# Altium PCB HeaterController(航插位置M1).PcbDoc
Units mm, origin at the board's own origin, x right, y up, seen from the top; angles counter-clockwise.
Board outline 79 x 34 mm, 2 copper layers (Top Layer, Bottom Layer); 8 components, 9 nets, 22 pads, 0 vias.
Unrouted connection lines stored in the file: 12.
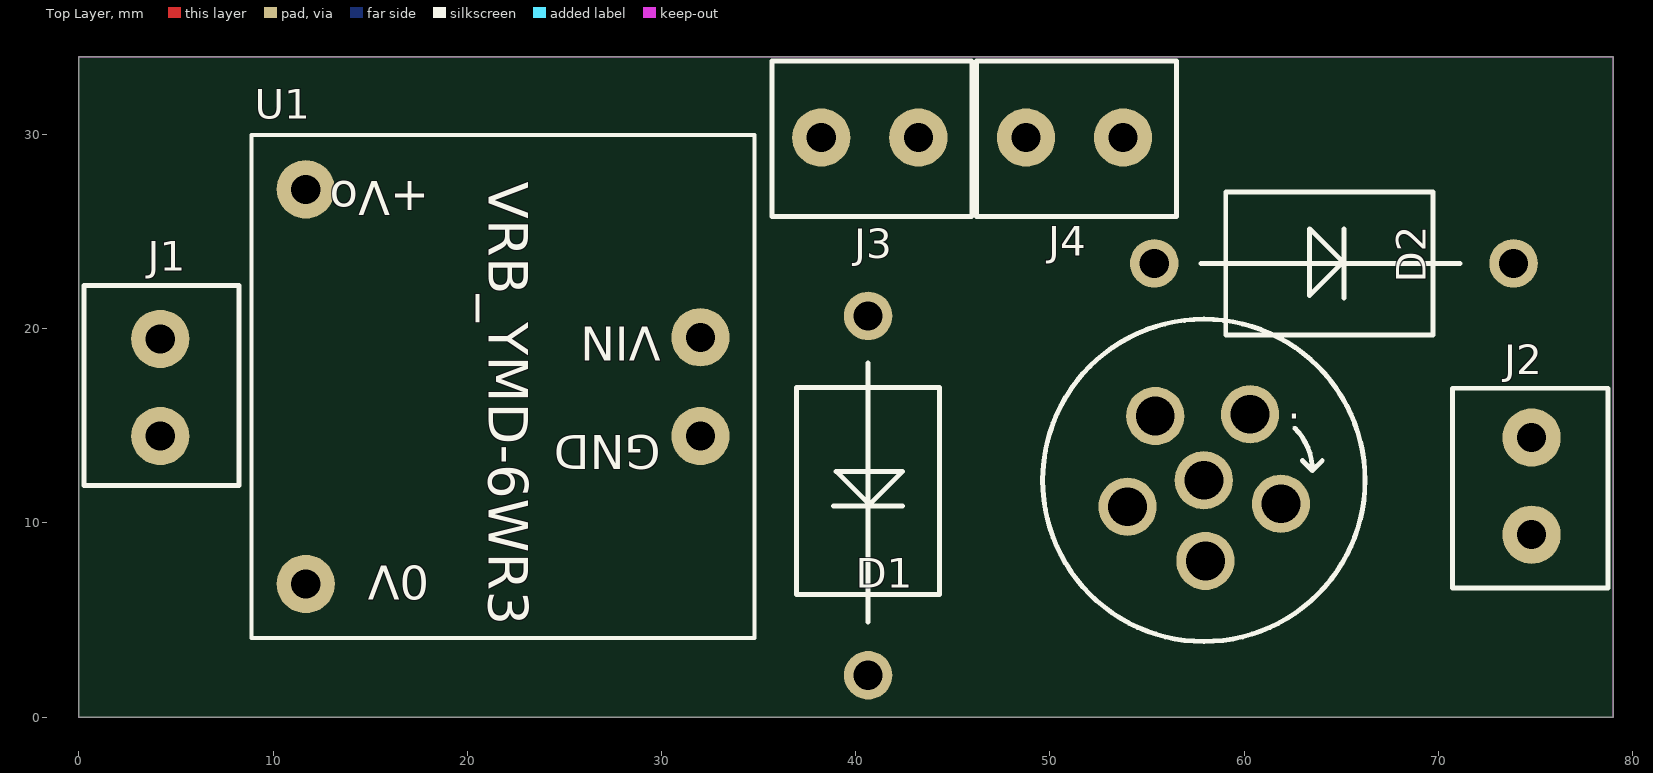
[diagram p0: Top Layer view]
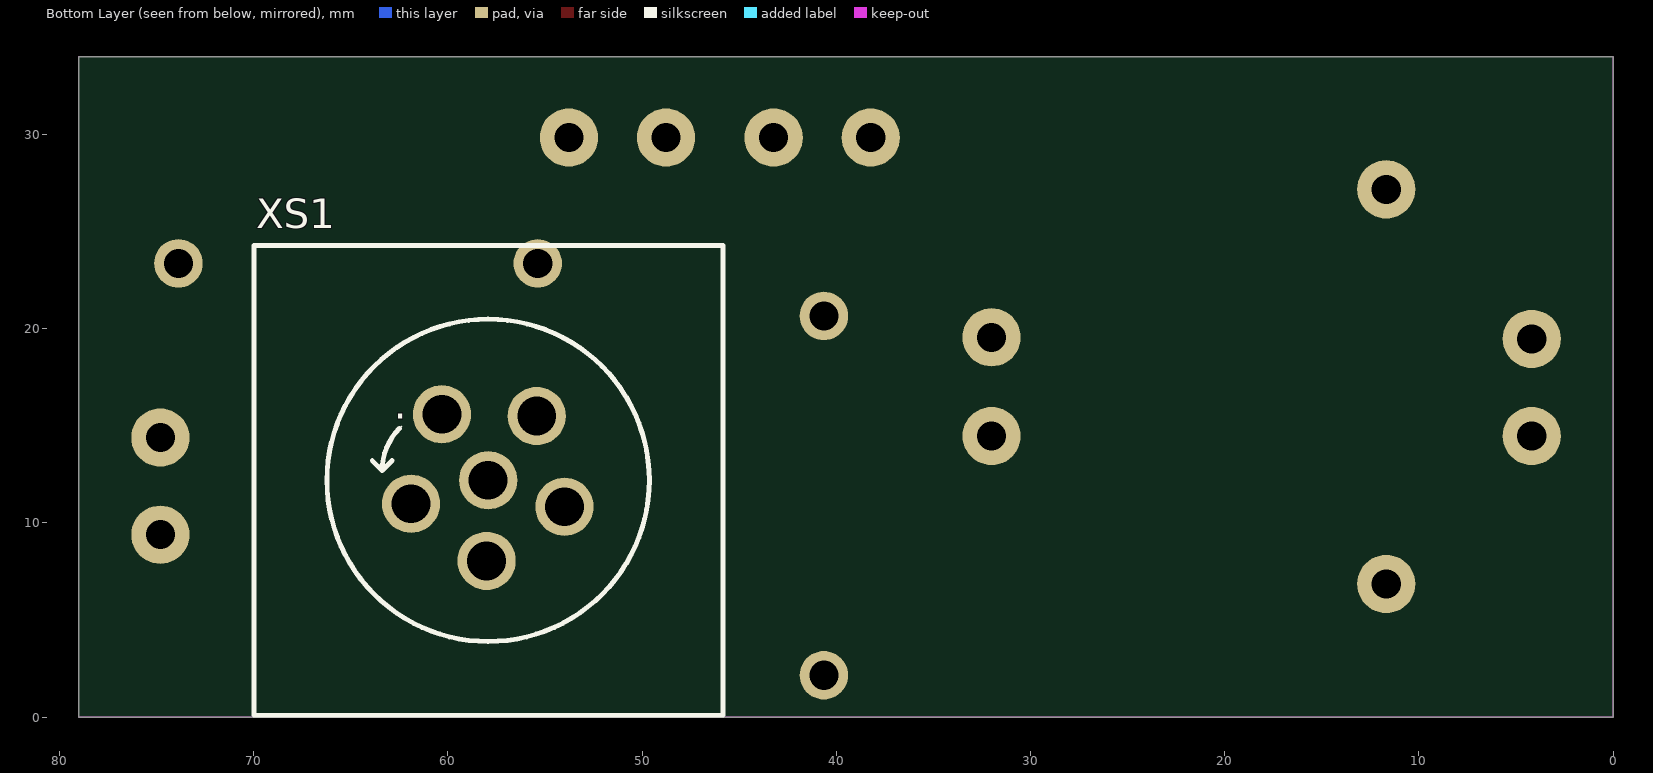
[diagram p1: Bottom Layer view, seen from below]

## Layer stack, top to bottom
Top Solder: solder mask 0.0102, Solder Resist, Dk 3.5
Top Layer: signal copper 0.0356
Dielectric 1: dielectric 0.32, FR-4, Dk 4.8
Bottom Layer: signal copper 0.0356
Bottom Solder: solder mask 0.0102, Solder Resist, Dk 3.5

## Board outline
0,0 79,0 79,34 0,34

## Design rules (kind name [scope] priority, off if disabled: settings)
Clearance [All] p1: gap=0.254 ignorepadtopadclearanceinfootprint=FALSE except(0: Arc-Hole Track-Hole SMDPad-Hole THPad-Hole Via-Hole Fill-Hole Poly-Hole Region-Hole Text-Hole; 0.508: Arc-Arc Arc-Track Track-Track)
PolygonConnect [All] p1: connectstyle=Relief reliefconductorwidth=0.254 reliefentries=4 polygonreliefangle="90 Angle" airgapwidth=0.254
RoutingVias [All] p1: holewidth=0.711 width=1.27 viastyle="Through Hole" minholewidth=0.711 minwidth=1.27 maxholewidth=0.711 maxwidth=1.27
SolderMaskExpansion [All] p1: expansion=0.102 istentingtop=FALSE
Width [All] p1: maxlimit=2.54 minlimit=0.254 preferedwidth=0.254
30 further rules are at their usual default settings.

## Components (designator, comment, footprint, x,y, rotation, side; value= is the part's Value field where it differs from the comment)
D1 "1N5822" P600(R-6) 40.64,20.659 r270 top
D2 "1N5822" P600(R-6) 55.372,23.368 r0 top
J1 "KF301(16A)-2P" KF301(16A)-2P 4.191,14.478 r90 top
J2 "KF301(16A)-2P" KF301(16A)-2P 74.803,14.398 r270 top
J3 "KF301(16A)-2P" KF301(16A)-2P 38.227,29.845 r0 top
J4 "KF301(16A)-2P" KF301(16A)-2P 48.768,29.845 r0 top
U1 "VRB4812YMD-6WR3" VRB_YMD-6WR3 21.844,17.018 r180 top
XS1 "XH17-B-16" XH17-B-16 57.926,12.197 r0 bottom locked

## Footprints (in the part's own frame and the unit in brackets; to place one, negate y for a bottom-side part, rotate by r counter-clockwise, add the part's x,y. Pads: shape width x height; smd on the part's side, far side on the other; paste and mask are expansions set on the pad)
KF301(16A)-2P [mm]
  round 3 hole 1.5: 1(0,0) 2(5,0)
  silkscreen extent -2.54,-4.06 7.75,3.94, body extent -2.49,-3.94 7.67,3.86, height 10.25
P600(R-6) [mm]
  round 2.5 hole 1.5: 1(0,0) 2(18.5,0)
  silkscreen extent 2.41,-3.68 15.75,3.68, body extent -0.64,-4.55 19.19,4.55, height 11.13
VRB_YMD-6WR3 [mm]
  round 3 hole 1.5: 1(-10.16,2.54) 2(-10.16,-2.54) 3(10.16,-10.16) 5(10.16,10.16)
  silkscreen extent -12.95,-12.95 12.95,12.95, body extent -12.7,-12.7 12.7,12.7, height 11.7
XH17-B-16 [mm]
  round 3 hole 2: 1(2.38,-3.4) 2(3.97,1.21) 3(0.08,4.15) 4(-3.93,1.36) 5(-2.5,-3.31) 6(0,0)
  silkscreen extent -12.08,-12.1 12.05,12.1, body extent -12.21,-12.2 12.19,12.2, height 18.3

## Part data
D1 D2: library part Diode, "Default Diode", Code_JEDEC=DO-214-AB, LatestRevisionDate=17-Jul-2002, LatestRevisionNote="Re-released for DXP Platform.", PackageDescription="DO-214-AB/SMC; 2 C-Bend Leads; Body 7.9 x 5.9 mm, inc. leads (LxW)", PackageReference=SMC, PackageVersion=Sep-1996, Published=8-Jun-2000, Publisher="Altium Limited"
J1 J2 J3 J4: library part "Header 2", "Header, 2-Pin", LatestRevisionDate=17-Jul-2002, LatestRevisionNote="Re-released for DXP Platform.", Publisher="Altium Limited"
U1: library part VRB_YMD-6WR3

## Nets (pads, with @x,y where several pads share a name; then routed paths per layer and width w, separated by ;. In a path a pad name is that pad's centre, name@x,y a point inside that pad or via, vN(x,y) a via of type N, cw(c..) or ccw(c..) an arc to the next point about the centre after c; other vN are vias at no path point)
NetD1_1: D1.1 XS1.2
NetD1_2: D1.2 D2.2 XS1.5
NetD2_1: D2.1 XS1.4 | length 0.2
  Top Layer w1.018: XS1.4@53.996,10.65 XS1.4
NetJ1_1: J1.1 U1.5 | length 0.1
  Bottom Layer w2.54: J1.1 J1.1@4.279,14.39
NetJ1_2: J1.2 U1.3
NetJ2_1: J2.1 U1.1 XS1.1
NetJ2_2: J2.2 J3.1 U1.2 | length 0.1
  Bottom Layer w2.54: J3.1@38.266,29.757 J3.1@38.354,29.845
NetJ3_2: J3.2 J4.1
NetJ4_2: J4.2 XS1.6
pads on no net: XS1.3

## Keep-outs
Keep-Out Layer:
  the board outline again, w0.013

## Silkscreen, mask and mechanical layers (free items; w line width, h text height)
Mechanical 1:
  circle w0.013: c60.308,15.605 r1
  circle w0.013: c4,4 r1.75
  circle w0.013: c57.929,12.2 r1
  circle w0.013: c54.003,10.844 r1
  circle w0.013: c58.006,8.047 r1
  circle w0.013: c61.902,10.99 r1
  circle w0.013: c55.426,15.515 r1
  circle w0.013: c4,30 r1.75
  circle w0.013: c75,30 r1.75
  circle w0.013: c75,4 r1.75
  lines w0.013: 0,0 0,34 79,34 79,0 0,0

## Text inside footprints (layer, text, board x,y; h text height)
U1: Top Overlay "GND" at 29.969,15.113 h3 r180; Top Overlay "VIN" at 29.972,20.701 h3 r180; Top Overlay "+Vo" at 18.034,28.194 h3 r180; Top Overlay "0V" at 18.034,8.382 h3 r180; Top Overlay "VRB_YMD-6WR3" at 20.447,27.559 h3.5 r270